# Altium PCB ankle_pcb.PcbDoc
Units mm, origin at the board's own origin, x right, y up, seen from the top; angles counter-clockwise.
Board outline 56.9 x 55.85 mm, 2 copper layers (Top Layer, Bottom Layer); 3 components, 11 nets, 44 pads, 3 vias.
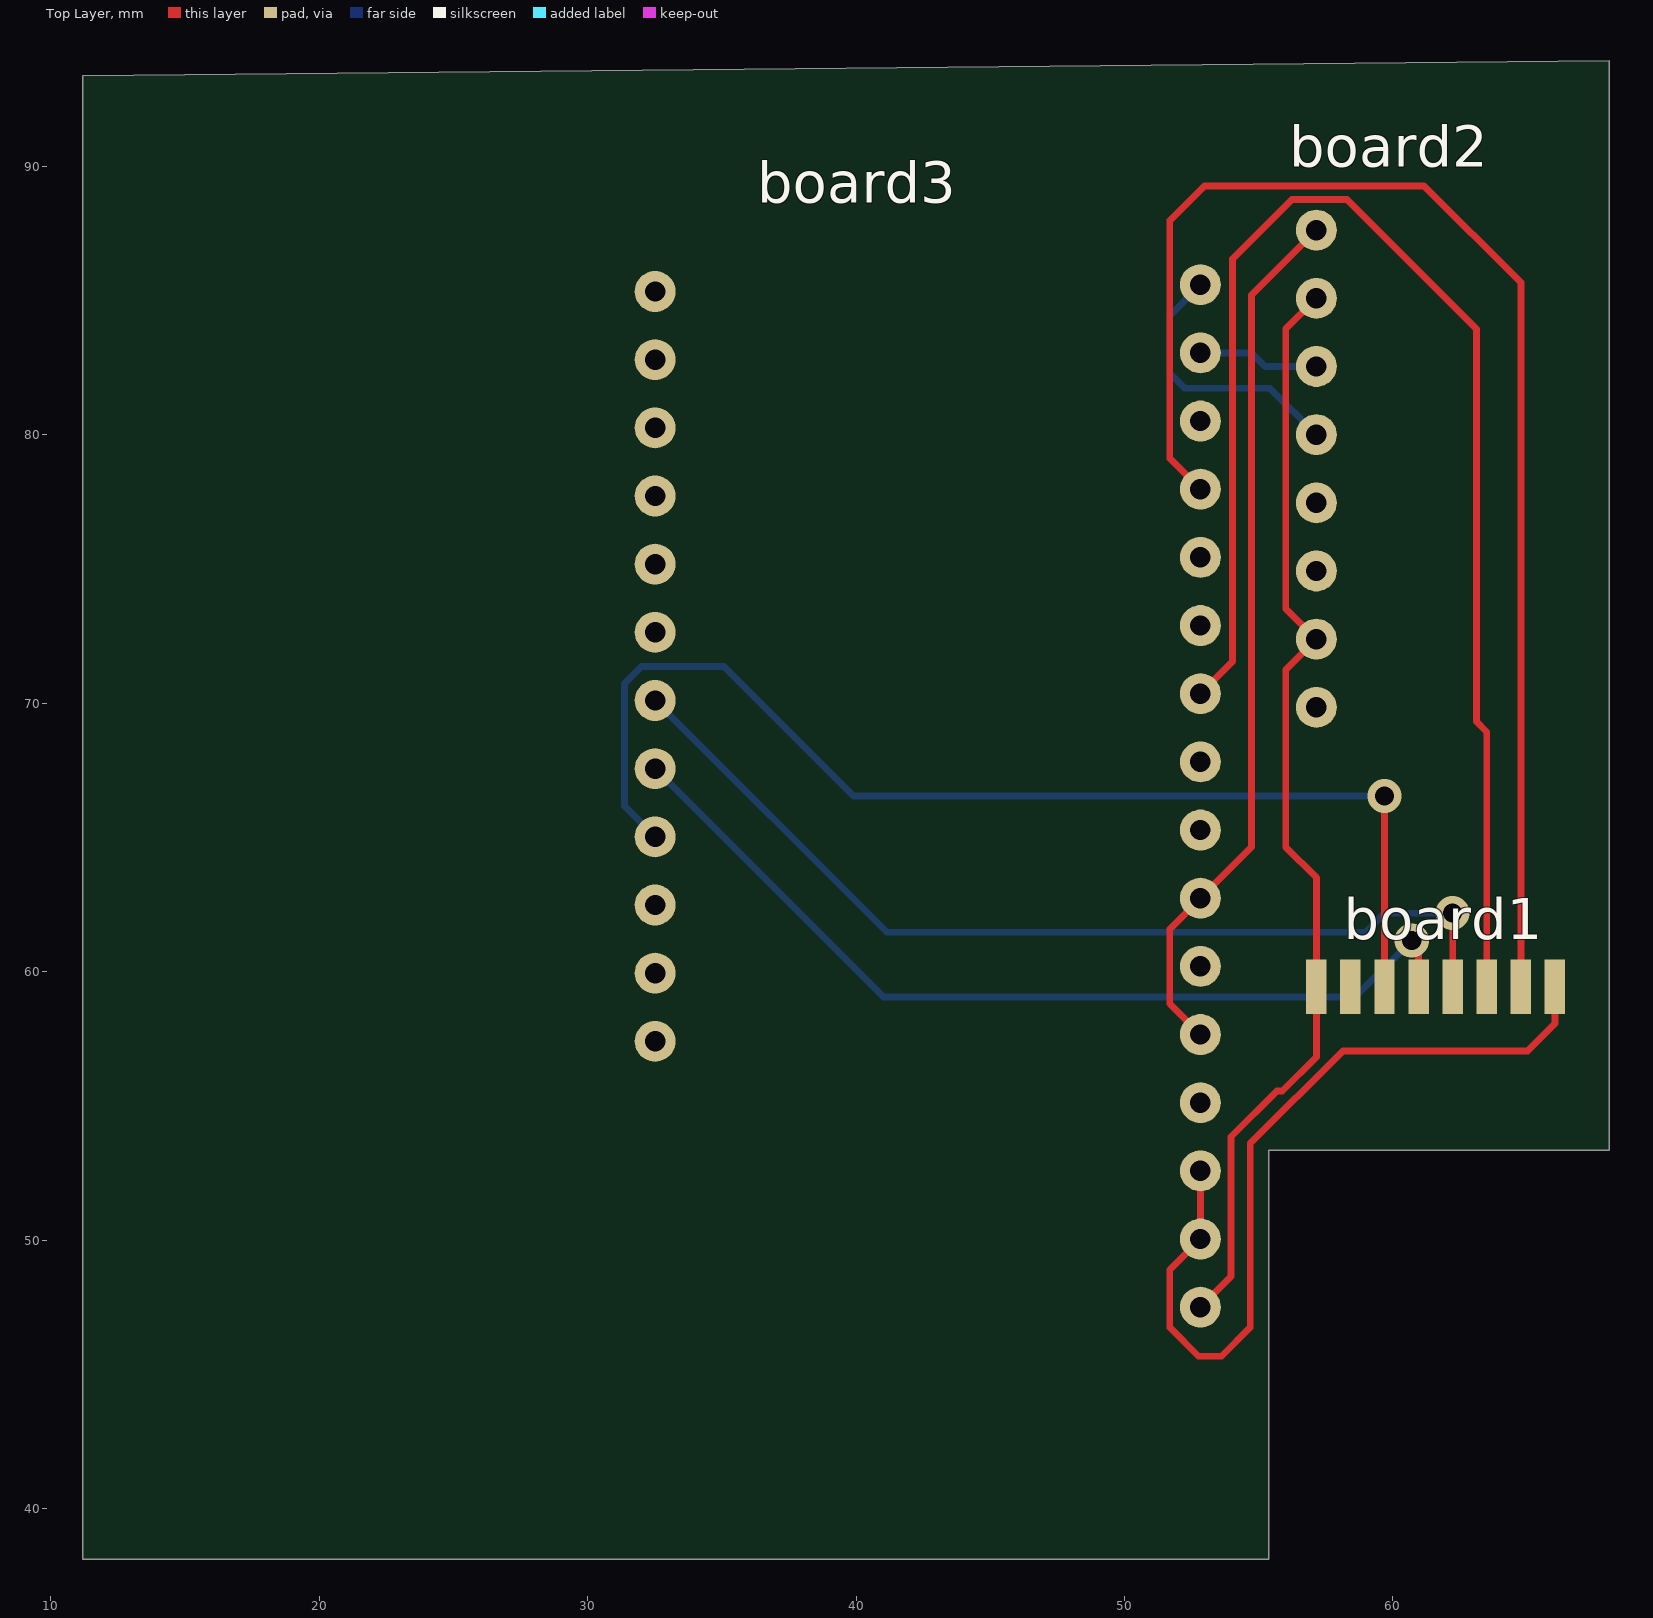
[diagram p0: Top Layer view]
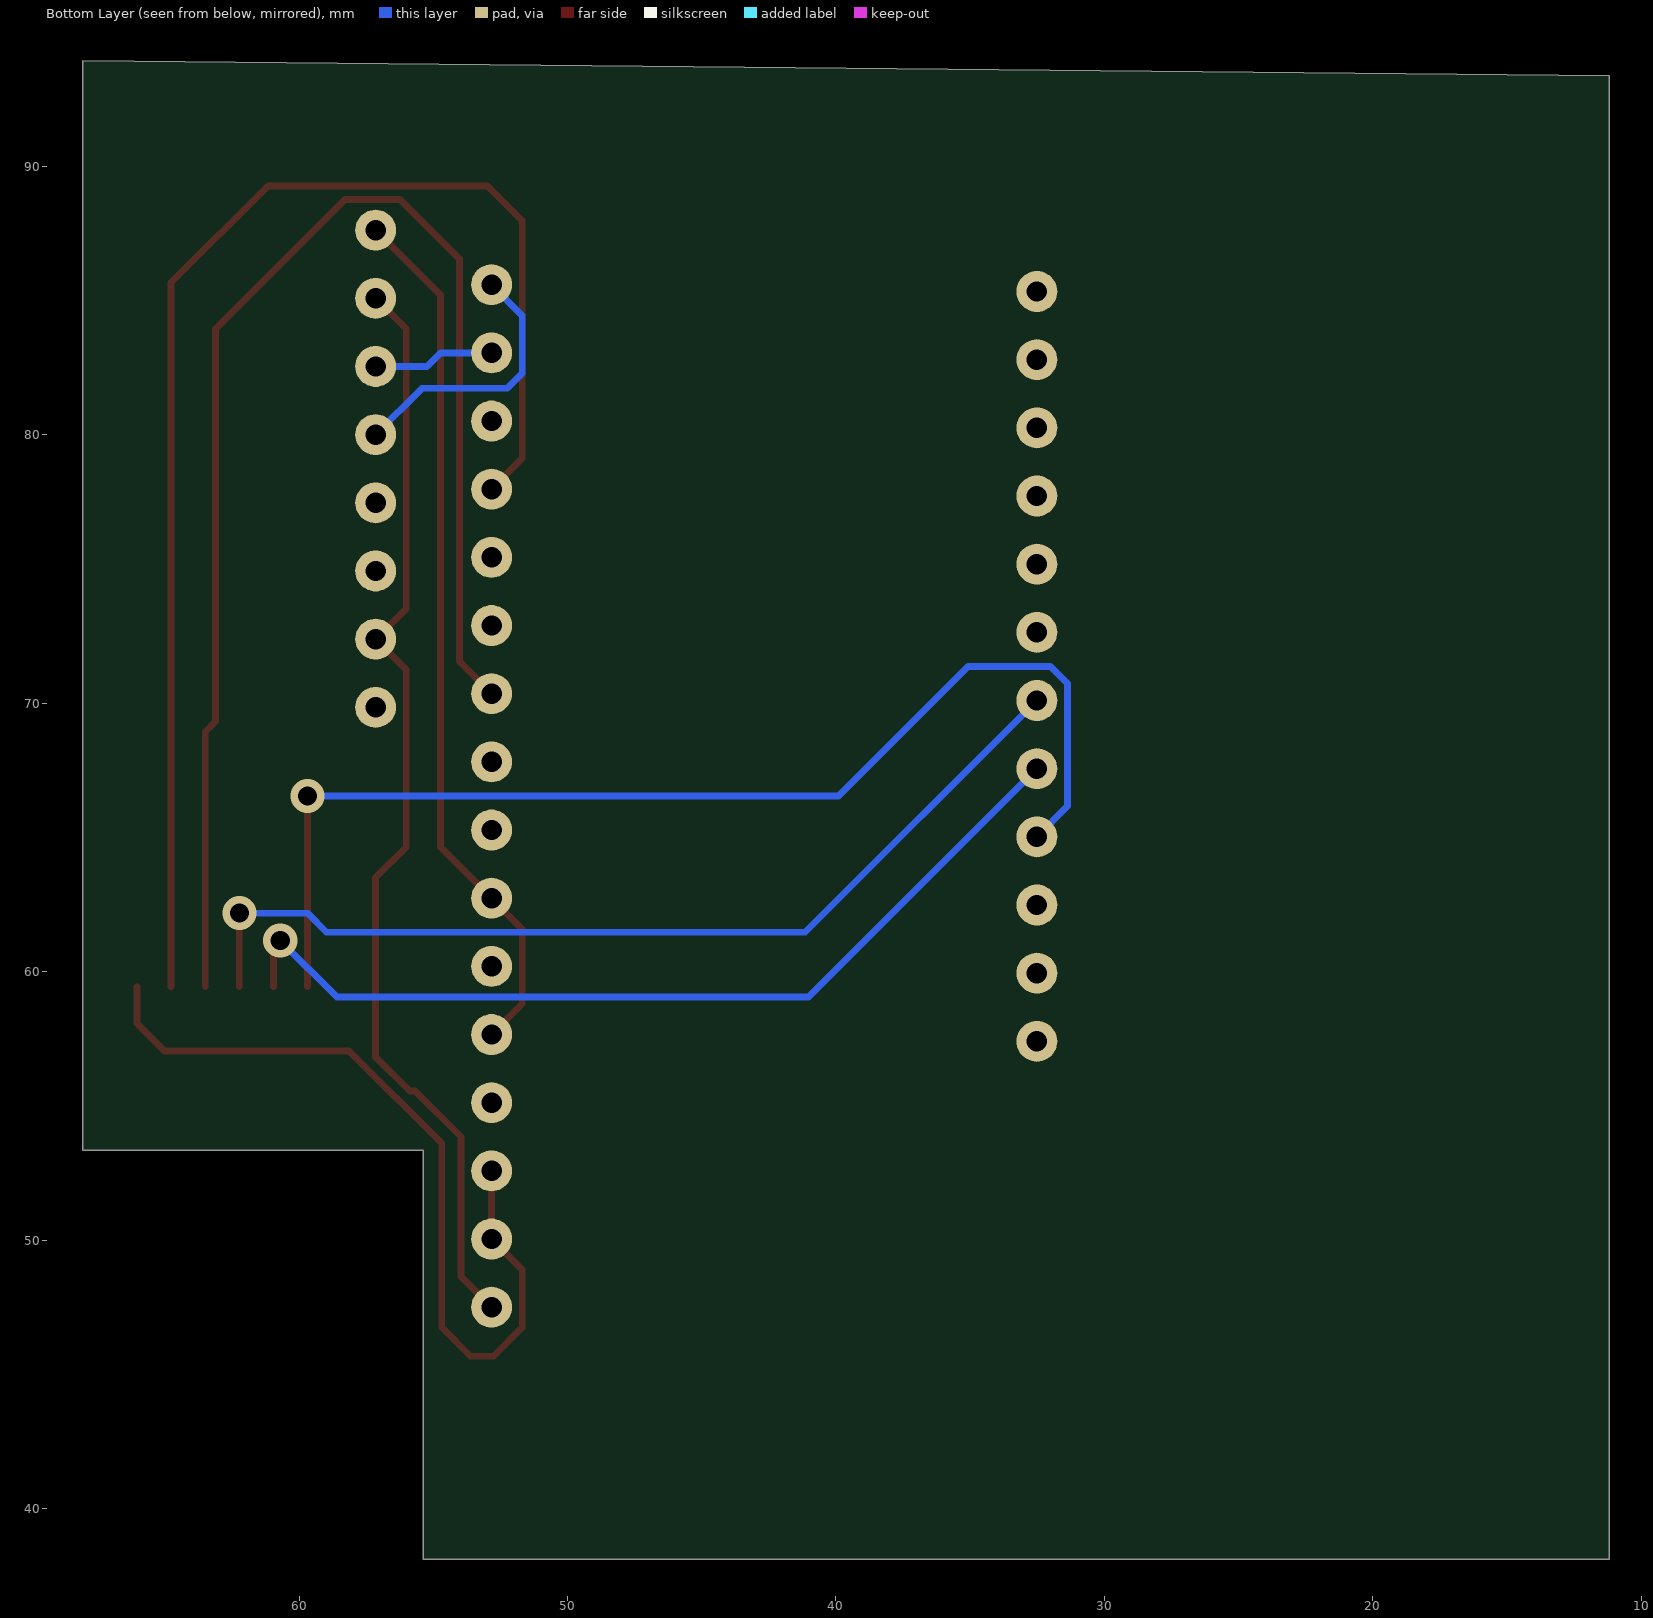
[diagram p1: Bottom Layer view, seen from below]
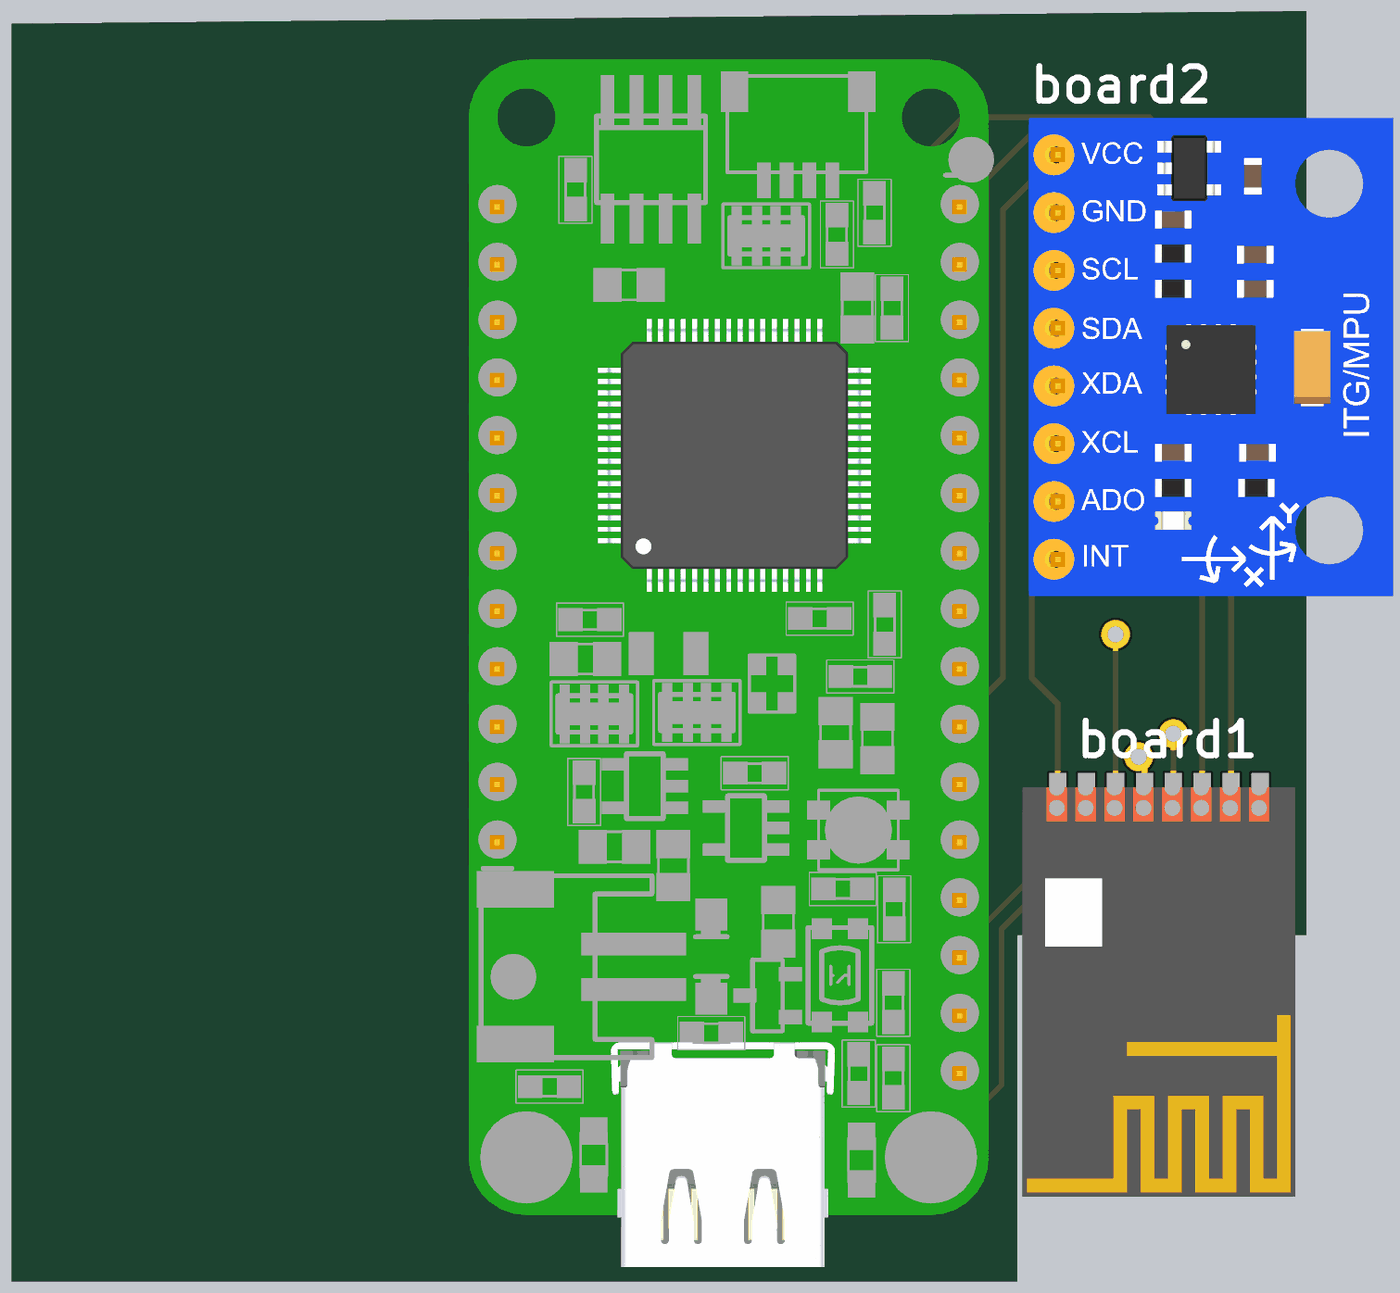
[diagram p2: 3D render of the assembled board from above, using the file's embedded part models]

## Layer stack, top to bottom
Top Solder: solder mask 0.0102, Solder Resist, Dk 3.5
Top Layer: signal copper 0.0356
Dielectric 1: dielectric 0.32, FR-4, Dk 4.8
Bottom Layer: signal copper 0.0356
Bottom Solder: solder mask 0.0102, Solder Resist, Dk 3.5

## Board outline
11.176,93.392 11.176,38.1 55.372,38.1 55.372,53.34 68.072,53.34 68.072,93.95

## Design rules (kind name [scope] priority, off if disabled: settings)
Clearance [All] p1: gap=0.254 ignorepadtopadclearanceinfootprint=FALSE
PolygonConnect [All] p1: connectstyle=Relief reliefconductorwidth=0.254 reliefentries=4 polygonreliefangle="90 Angle" airgapwidth=0.254
RoutingVias [All] p1: holewidth=0.711 width=1.27 viastyle="Through Hole" minholewidth=0.711 minwidth=1.27 maxholewidth=0.711 maxwidth=1.27
SolderMaskExpansion [All] p1: expansion=0.102 istentingtop=FALSE
SupplyNets "Schematic Supply Nets_2" [InNet('5V0')] p1: voltage=0.000
SupplyNets "Schematic Supply Nets_1" [InNet('3V3')] p2: voltage=0.000
SupplyNets "Schematic Supply Nets" [InNet('GND')] p3: voltage=0.000
Width [All] p1: maxlimit=0.254 minlimit=0.254 preferedwidth=0.254
30 further rules are at their usual default settings.

## Components (designator, comment, footprint, x,y, rotation, side; value= is the part's Value field where it differs from the comment)
board1 "NRF24" NRF24 61.595,59.817 r180 top
board2 "MPUU6050" MPU6050 55.88,78.74 r270 top
board3 "Adafruit_Feather_STM32F405" Adafruit_Feather_STM32F405 49.784,45.72 r90 top (schematic designator board?)

## Footprints (in the part's own frame and the unit in brackets; to place one, negate y for a bottom-side part, rotate by r counter-clockwise, add the part's x,y. Pads: shape width x height; smd on the part's side, far side on the other; paste and mask are expansions set on the pad)
Adafruit_Feather_STM32F405 [mil]
  round 60 hole 30: 1(460,680) 2(560,680) 3(660,680) 4(760,680) 5(860,680) 6(960,680) 7(1060,680) 8(1160,680) 9(1260,680) 10(1360,680) 11(1460,680) 12(1560,680) 13(70,-120) 14(170,-120) 15(270,-120) 16(370,-120) 17(470,-120) 18(570,-120) 19(670,-120) 20(770,-120) 21(870,-120) 22(970,-120) 23(1070,-120) 24(1170,-120) 25(1270,-120) 26(1370,-120) 27(1470,-120) 28(1570,-120)
  body extent -275,-180 1815,730, height 350
MPU6050 [mil]
  round 60 hole 30: 1(-350,50) 2(-250,50) 3(-150,50) 4(-50,50) 5(50,50) 6(150,50) 7(250,50) 8(350,50)
  body extent -413,0 413,630, height 240
NRF24 [mil]
  rect 30x80 smd: 1(-175,15) 2(-125,15) 3(-75,15) 4(-25,15) 5(25,15) 6(75,15) 7(125,15) 8(175,15)
  body extent -236,0 236,709, height 89

## Via types
v1: diameter 1.27, hole 0.711, Top Layer to Bottom Layer, 3 vias

## Nets (pads, with @x,y where several pads share a name; then routed paths per layer and width w, separated by ;. In a path a pad name is that pad's centre, name@x,y a point inside that pad or via, vN(x,y) a via of type N, cw(c..) or ccw(c..) an arc to the next point about the centre after c; other vN are vias at no path point)
3V3: board1.1 board3.14 board3.15 | length 31.6
  Top Layer w0.254: board3.15 board3.14 51.689,48.895 51.689,46.736 52.756,45.669 53.619,45.669 54.686,46.736 54.686,53.594 58.141,57.048 65.024,57.048 66.04,58.064 board1.1
5V0: board2.1 board3.17 board3.19 | length 32.7
  Top Layer w0.254: board3.17 51.689,58.801 51.689,61.595 board3.19 54.737,64.643 54.737,85.217 board2.1
CE: board1.2 board3.25 | length 51.8
  Top Layer w0.254: board3.25 51.689,79.121 51.689,87.986 52.984,89.281 61.163,89.281 64.77,85.674 board1.2
CS: board3.24
CSN: board1.3 board3.22 | length 53.4
  Top Layer w0.254: board3.22 54.026,71.552 54.026,86.563 56.236,88.773 58.293,88.773 63.119,83.947 63.119,69.317 63.5,68.936 board1.3
GND: board1.8 board2.2 board2.7 board3.13 | length 41.4
  Top Layer w0.254: board3.13 53.975,48.641 53.975,53.848 55.677,55.55 55.88,55.55 57.15,56.82 board1.8 57.15,63.5 56.007,64.643 56.007,71.247 board2.7 56.007,73.533 56.007,83.947 board2.2
MISO: board1.6 board3.4 | length 43.9
  Top Layer w0.254: board1.6 v1(59.69,66.548)
  Bottom Layer w0.254: board3.4 31.369,66.167 31.369,70.739 32.004,71.374 35.077,71.374 39.903,66.548 v1(59.69,66.548)
MOSI: board1.5 board3.5 | length 34.4
  Top Layer w0.254: v1(60.706,61.163) 60.96,60.909 board1.5
  Bottom Layer w0.254: board3.5 41.021,59.055 58.598,59.055 v1(60.706,61.163)
SCK: board1.4 board3.6 | length 36.3
  Top Layer w0.254: board1.4 v1(62.23,62.179)
  Bottom Layer w0.254: board3.6 41.148,61.468 58.979,61.468 59.69,62.179 v1(62.23,62.179)
SCL: board2.3 board3.27 | length 4.5
  Bottom Layer w0.254: board3.27 54.737,83.058 55.245,82.55 board2.3
SDA: board2.4 board3.28 | length 10.2
  Bottom Layer w0.254: board3.28 51.689,84.455 51.689,82.296 52.248,81.737 55.423,81.737 board2.4
pads on no net: board1.7 board2.5 board2.6 board2.8 board3.1 board3.2 board3.3 board3.7 board3.8 board3.9 board3.10 board3.11 board3.12 board3.16 board3.18 board3.20 board3.21 board3.23 board3.26